# Allegro board 6089-103-RevB_76.brd (continued)
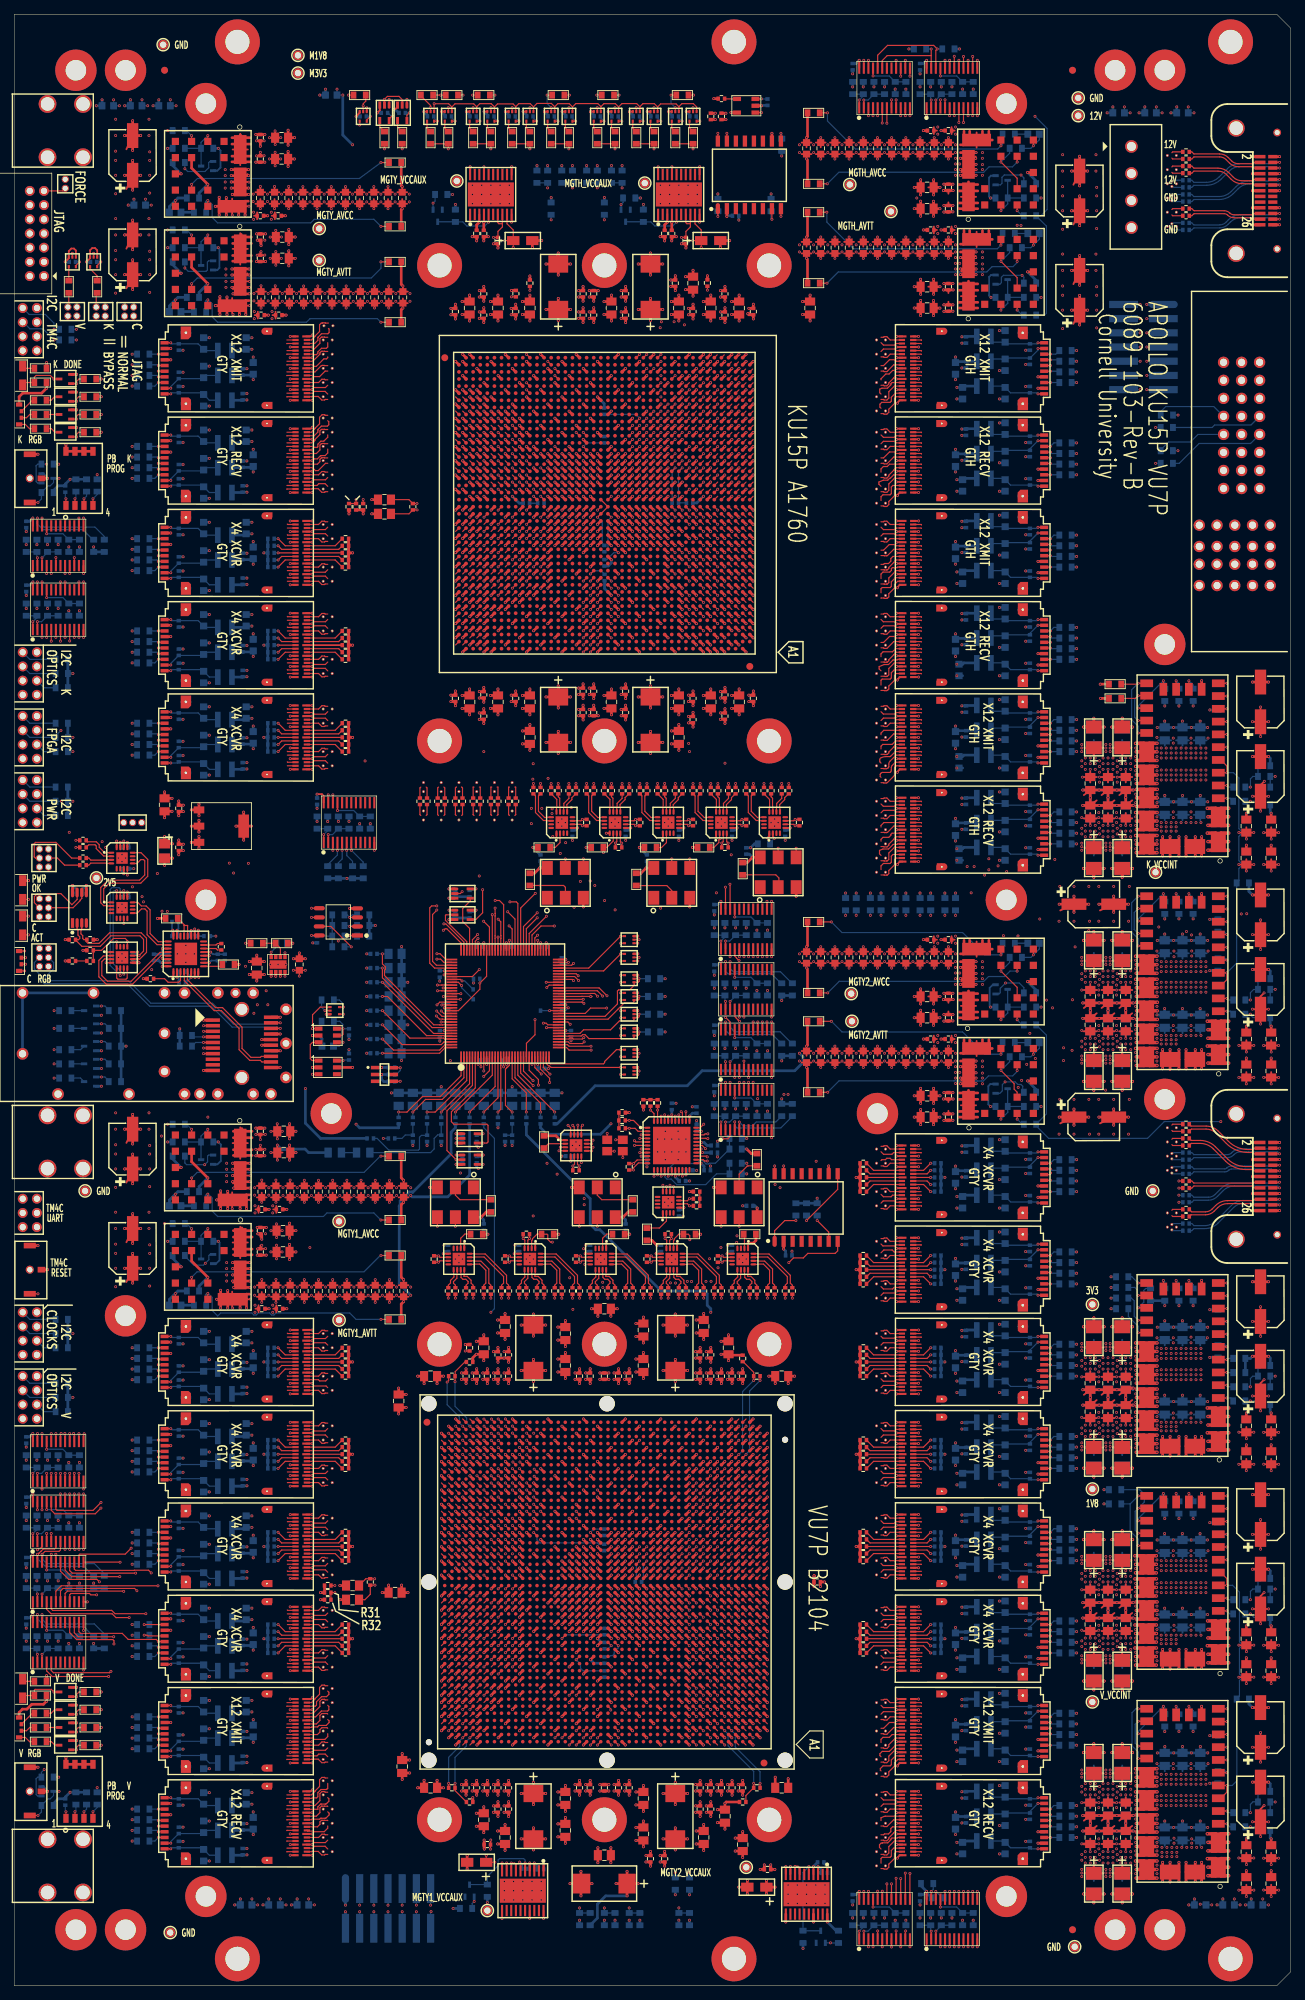
[diagram p0: board, top side]
## Routing (per net, layer and track width the routed paths; a pad name or vN(x,y) marks a point on that pad's centre or on a via; arc(x,y) is an arc through that point) (continued)
  BOTTOM w0.165: v1(20.33,36.3) 20.23,36.4 R638.1
/V_FF12_XMIT_PRESENT: length 33.4
  TOP w0.165: v1(14.88,57.65) 8.11,57.65 7.17,58.58 U5.17 ; U29.3 v1(20.33,37.9)
  SIG4 w0.079: v1(20.33,37.9) 14.88,43.34 v1(14.88,57.65)
  BOTTOM w0.165: R637.1 v1(20.33,37.9)
/V_FF_LEFT_RESET: length 86.1
  TOP w0.165: U26.6 v1(20.33,74.5) ; U25.6 v1(20.33,87.5) ; U6.14 9.12,49.9 9.36,49.66 15.22,49.66 16.07,48.8 20.02,48.8 v1(20.33,48.5) U28.6 ; U30.6 v1(20.33,22.5) ; U27.6 v1(20.33,61.5) ; U29.6 v1(20.33,35.5)
  SIG1 w0.079: v1(20.33,35.5) 20.91,36.08 20.91,47.81 20.33,48.39 v1(20.33,48.5) 20.91,49.08 20.91,61.01 20.42,61.5 v1(20.33,61.5) 20.82,61.99 20.82,74.12 20.44,74.5 v1(20.33,74.5) 20.88,75.05 20.88,87.1 20.48,87.5 v1(20.33,87.5)
  SIG2 w0.079: v1(20.33,35.5) 21.16,34.67 21.16,23.33 v1(20.33,22.5)
/V_FF_RIGHT_RESET: length 274.7
  TOP w0.165: U115.6 v1(146.07,49.3) ; U113.6 v1(146.07,75.3) ; U112.6 v1(146.07,88.3) ; U117.6 v1(146.07,23.3) ; U114.6 v1(146.07,62.3) ; v1(146.1,114.53) 146.07,114.53 146.07,114.3 U110.6 ; U116.6 v1(146.07,36.3) ; U111.6 v1(146.07,101.3) ; U6.13 v1(9.78,50.07)
  SIG1 w0.079: v1(146.07,23.3) 146.51,23.74 146.51,34.54 145.7,35.35 145.7,35.93 v1(146.07,36.3) 146.54,36.77 146.54,47.51 145.7,48.35 145.7,48.86 146.07,49.23 v1(146.07,49.3) 146.59,49.82 146.59,60.34 145.7,61.23 145.7,61.93 v1(146.07,62.3) 146.45,62.68 146.45,73.61 146.37,73.69 146.37,73.69 145.7,74.35 145.7,74.89 146.07,75.26 v1(146.07,75.3) 146.53,75.75 146.53,86.64 146.34,86.72 145.7,87.35 145.7,87.93 v1(146.07,88.3) 146.54,88.77 146.54,99.31 145.7,100.15 145.7,100.93 v1(146.07,101.3) 146.54,101.77 146.54,112.17 145.7,113.01 145.7,114.46 145.78,114.53 v1(146.1,114.53)
  SIG2 w0.079: v1(146.07,23.3) 143,23.3 141.4,21.7 138.7,21.7 130.84,13.84 130.84,13.26 130.35,12.78 116.42,12.78 113.7,15.49 23.52,15.49 8.03,30.98 8.03,48.09 8.04,48.1 8.04,48.34 v1(9.78,50.07)
/V_FPGA_DONE: length 145.3
  TOP w0.165: D7.1 1.52,40.9 R7.2 2.84,41.65 2.96,41.77 5.23,41.77 v1(5.6,41.4) Q5.3 ; U52.119 v1(60.18,135.8)
  SIG1 w0.079: v1(33.79,137.03) 33.79,135.04 27.33,128.58 27.33,127.13 27.34,127.11 27.34,124.71 22.2,119.56 22.2,94.65 7.15,79.6 6.5,79.6 2.05,75.15 2.05,67.19 2.2,67.04 2.2,47 5.6,43.6 v1(5.6,41.4)
  SIG2 w0.079: v1(33.79,137.03) 34.77,136.05 59.93,136.05 v1(60.18,135.8)
/V_MGTY1_AVCC_PWR_EN: length 7.8
  TOP w0.165: U17.6 v1(27.3,120.69)
  BOTTOM w0.165: R596.2 R577.1 ; R577.1 26.34,116.41 Q19.3 ; R577.1 26.34,119.73 v1(27.3,120.69)
/V_MGTY1_AVTT_PWR_EN: length 7.8
  TOP w0.165: U18.6 v1(27.3,106.69)
  BOTTOM w0.165: v1(27.3,106.69) 26.34,105.73 R578.1 ; R599.2 R578.1 ; R578.1 26.35,104.89 Q20.3
/V_MGTY1_VCCAUX_EN: length 12.1
  TOP w0.165: U54.5 v1(72.03,17.3)
  BOTTOM w0.165: v1(72.03,17.3) 72.03,17.7 71.81,17.92 68.41,17.92 68.22,17.73 68.22,16.93 66.7,15.4 R495.2 64.21,14.26 Q15.3
/V_MGTY2_AVCC_PWR_EN: length 7.8
  TOP w0.165: U120.6 v1(139.1,136.11)
  BOTTOM w0.165: 142.38,137.9 R320.2 R335.1 ; v1(139.1,136.11) 140.06,137.07 R335.1 ; R335.1 140.05,137.91 Q11.3
/V_MGTY2_AVTT_PWR_EN: length 7.8
  TOP w0.165: U121.6 v1(139.1,122.11)
  BOTTOM w0.165: R336.1 140.05,123.91 Q12.3 ; R336.1 140.06,123.07 v1(139.1,122.11) ; R336.1 R323.2 142.38,123.9
/V_MGTY2_VCCAUX_EN: length 13
  TOP w0.165: U99.5 v1(112.03,16.8)
  BOTTOM w0.165: v1(112.03,16.8) 111.2,15.98 R408.2 111.21,7.75 Q13.3
/V_OPTICS_I2C_RESET: length 186.8
  TOP w0.165: 3.92,71.1 v1(3.92,70) ; v1(3.28,61.44) 3.43,61.59 3.65,61.59 3.89,61.83 3.92,61.83 3.92,62.6 ; U101.3 v1(120.42,5.5)
  SIG2 w0.079: v1(3.28,61.44) 2.77,61.44 2.19,60.86 2.19,35.74 22.85,15.09 99.51,15.09 102.33,12.27 106.63,12.27 113.4,5.5 v1(120.42,5.5)
  SIG4 w0.079: v1(3.28,61.44) 3.28,62.24 2.1,63.42 2.1,68.17 v1(3.92,70) 2.23,71.69 2.23,80.94 J8.6
  BOTTOM w0.165: J8.6 4.2,80.9 R697.1
AC_NC2C0_K_TO_V: length 100.9
  TOP w0.165: 67.32,164.9 67.2,165.02 67.2,165.02 C127.2 ; U66.BC46 60.23,76.87
  SIG1 w0.083: 60.23,76.87 60.55,76.87 60.63,76.95 60.63,77.1 arc(60.66,77.21) 60.72,77.31 60.75,77.34 arc(60.85,77.41) 60.96,77.43 65.27,77.43 arc(65.34,77.44) 65.4,77.48 65.49,77.57 arc(65.56,77.67) 65.58,77.79 65.58,81.88 arc(65.54,82.07) 65.44,82.23 62.71,84.96 arc(62.55,85.19) 62.5,85.47 62.5,92.5 arc(62.43,92.83) 62.25,93.1 59.5,95.85 arc(59.32,96.13) 59.25,96.45 59.25,104.69 arc(59.39,105.39) 59.79,105.99 60.51,106.71 arc(61.08,107.56) 61.28,108.58 61.28,127.31 arc(61.43,128.06) 61.86,128.7 66.15,132.99 arc(66.6,133.66) 66.76,134.46 66.76,161.37 arc(66.87,161.92) 67.18,162.39 67.41,162.62 arc(67.58,162.87) 67.64,163.17 67.64,163.62 arc(67.61,163.76) 67.54,163.87 67.48,163.92 arc(67.36,164.1) 67.32,164.32 67.32,164.9
AC_NC2C0_V_TO_K: length 25.8
  TOP w0.165: C101.2 62.2,168.78 62.32,168.9 62.32,168.9 ; U65.D42 62.23,190.93
  SIG1 w0.083: 62.32,168.9 62.32,169.53 arc(62.32,169.57) 62.33,169.61 arc(62.37,169.72) 62.43,169.84 arc(62.45,169.87) 62.47,169.91 arc(62.55,170.03) 62.57,170.17 62.57,171.55 arc(62.56,171.59) 62.52,171.6 arc(62.48,171.62) 62.47,171.66 62.47,171.88 arc(62.48,171.92) 62.52,171.93 arc(62.56,171.95) 62.57,171.99 62.57,181.84 arc(62.65,182.23) 62.87,182.56 63.45,183.14 arc(63.6,183.36) 63.65,183.62 63.65,188.94 arc(63.62,189.08) 63.54,189.19 63.54,189.2 arc(63.42,189.28) 63.28,189.31 63.1,189.31 arc(62.93,189.34) 62.78,189.42 arc(62.63,189.59) 62.57,189.81 62.57,190.77 62.41,190.93 62.23,190.93
AC_NC2C1_K_TO_V: length 104.9
  TOP w0.165: C140.2 69.7,165.02 69.7,165.02 69.82,164.9 ; U66.BA46 60.23,74.87
  SIG1 w0.083: 69.82,164.9 69.82,164.25 arc(69.84,164.13) 69.91,164.03 70.04,163.9 arc(70.09,163.82) 70.11,163.73 70.11,154.5 arc(70.02,154.03) 69.75,153.63 69.11,152.99 arc(68.87,152.63) 68.79,152.21 68.79,134.81 arc(68.7,134.37) 68.45,134 63.81,129.36 arc(63.54,128.95) 63.44,128.47 63.44,106.58 arc(63.36,106.16) 63.12,105.8 61.77,104.45 arc(61.48,104.02) 61.38,103.51 61.38,98.48 arc(61.33,98.21) 61.17,97.99 60.82,97.64 arc(60.51,97.17) 60.4,96.62 60.4,96.35 arc(60.49,95.93) 60.72,95.58 64.2,92.1 arc(64.33,91.91) 64.38,91.68 64.38,87.16 arc(64.35,87) 64.25,86.86 64.11,86.72 arc(63.95,86.49) 63.9,86.21 63.9,85.44 arc(63.95,85.18) 64.1,84.95 66.49,82.57 arc(66.61,82.38) 66.66,82.16 66.66,82.16 66.66,75.71 arc(66.64,75.61) 66.58,75.53 66.53,75.48 arc(66.46,75.44) 66.39,75.42 60.99,75.42 arc(60.74,75.32) 60.63,75.07 60.63,74.95 60.55,74.87 60.23,74.87
AC_NC2C1_V_TO_K: length 23.9
  TOP w0.165: U65.C40 64.23,189.93 ; C109.2 64.7,168.89 64.82,168.9
  SIG1 w0.083: 64.82,168.9 64.82,169.64 arc(64.84,169.75) 64.9,169.84 65.02,169.96 arc(65.06,170.01) 65.07,170.06 65.07,170.93 arc(65.05,171.01) 65.01,171.07 65,171.09 arc(64.93,171.18) 64.91,171.29 64.91,182.63 arc(64.89,182.73) 64.83,182.82 64.77,182.88 arc(64.66,183.04) 64.62,183.24 64.62,189.84 64.54,189.93 64.23,189.93
AC_NC2C2_K_TO_V: length 99.4
  TOP w0.165: C92.2 57.2,165.02 57.32,164.9 ; U66.AW46 60.23,72.86
  SIG1 w0.083: 57.32,164.9 57.32,164.25 arc(57.36,164.04) 57.48,163.87 57.51,163.83 arc(57.6,163.7) 57.64,163.53 57.64,163.03 arc(57.55,162.57) 57.29,162.19 53.92,158.82 arc(53.72,158.52) 53.64,158.16 53.64,122.95 arc(53.72,122.58) 53.93,122.26 54.05,122.15 arc(54.19,121.92) 54.25,121.66 54.25,111.21 54.24,111.2 54.24,98.6 54.25,98.59 54.25,98.31 54.24,98.3 54.24,97.45 54.25,97.44 54.25,97.16 54.24,97.15 54.24,85.74 arc(54.31,85.39) 54.51,85.09 54.55,85.05 arc(54.64,84.92) 54.67,84.76 54.67,79.64 arc(54.76,79.2) 55,78.83 59.41,74.42 arc(59.54,74.23) 59.59,74.01 59.59,73.82 arc(59.62,73.64) 59.72,73.48 59.76,73.45 arc(59.9,73.35) 60.07,73.32 60.44,73.32 arc(60.55,73.3) 60.64,73.23 60.66,73.21 arc(60.68,73.19) 60.69,73.16 60.69,73 60.54,72.86 60.23,72.86
AC_NC2C2_V_TO_K: length 25.4
  TOP w0.165: C96.2 59.7,168.78 59.82,168.9 ; U65.B42 62.23,188.93
  SIG1 w0.083: 62.23,188.93 62.63,188.53 62.63,187.19 arc(62.43,186.21) 61.87,185.38 58.26,181.76 arc(57.64,180.84) 57.43,179.76 57.43,174.48 arc(57.62,173.5) 58.18,172.67 59.86,170.99 arc(60,170.78) 60.05,170.53 60.05,170.38 arc(60.02,170.22) 59.93,170.09 arc(59.85,169.97) 59.82,169.82 59.82,168.9
AC_NHIGH_PERF_CLK_IN: length 86.7
  TOP w0.165: R138.2 v1(95.19,110.9) 94.9,110.61 94.38,110.61 94.34,110.65 U80.7
  SIG2 w0.083: v1(164.19,110.4) 164.19,110.52 164.41,110.74 arc(164.48,110.78) 164.56,110.8 164.73,110.8 arc(164.84,110.82) 164.93,110.89 165.07,111.02 arc(165.17,111.18) 165.21,111.37 165.21,118.01 arc(165.1,118.56) 164.79,119.03 164.3,119.52 arc(163.65,119.96) 162.88,120.11 161.51,120.11 arc(161.06,120.2) 160.68,120.44 arc(160.63,120.49) 160.57,120.52 arc(160.51,120.55) 160.45,120.57 arc(160.38,120.59) 160.31,120.59 118.77,120.59 108.69,110.5 95.28,110.5 95.19,110.59 v1(95.19,110.9)
  BOTTOM w0.165: C503.2 v1(164.19,110.4)
AC_NK_CLK0_CHAN0: length 57.7
  TOP w0.165: C305.2 v1(108.2,169.41) ; U65.AG11 v1(94.17,214.87)
  SIG2 w0.083: v1(108.2,169.41) 108.51,169.41 108.6,169.49 108.6,169.87 107.28,171.19 106.99,171.19 103.02,175.16 103.02,180.61 100.12,183.51 99.48,183.51 95.58,187.41 95.58,208.39 94.86,209.11 93.02,209.11 92.55,209.57 92.55,215.16 92.86,215.47 93.47,215.47 93.78,215.16 93.78,214.96 93.86,214.87 v1(94.17,214.87)
AC_NK_CLK0_CHAN1: length 49.2
  TOP w0.165: U65.AA11 v1(94.17,207.93) ; C300.2 v1(105.7,169.41)
  SIG2 w0.083: v1(105.7,169.41) 106.01,169.41 106.1,169.49 106.1,170.61 98.83,177.87 98.83,181.02 94.54,185.31 94.54,201.77 94.55,201.77 94.55,202.08 94.54,202.08 94.54,203.22 94.41,203.35 92.93,203.35 92.59,203.69 92.59,208.27 92.99,208.67 93.57,208.67 93.78,208.46 93.78,208.01 93.86,207.93 v1(94.17,207.93)
AC_NK_CLK0_CHAN2: length 41.9
  TOP w0.165: U65.R11 v1(94.17,201.93) ; C293.2 v1(103.2,169.41)
  SIG2 w0.083: v1(94.17,201.93) 93.86,201.93 93.78,202.01 93.78,202.21 93.57,202.43 92.79,202.43 92.58,202.22 92.58,182.44 94.38,180.65 94.38,177.76 98.16,173.98 99.73,173.98 103.6,170.11 103.6,169.49 103.51,169.41 v1(103.2,169.41)
AC_NK_CLK0_CHAN4: length 48.7
  TOP w0.165: C171.2 v1(78.2,169.41) ; U65.AD33 v1(71.23,211.87)
  SIG1 w0.083: v1(78.2,169.41) 78.51,169.41 78.6,169.49 78.6,170.04 75.86,172.78 75.86,181.54 74.7,182.7 74.7,187.63 74.65,187.69 74.65,208.68 74.56,208.77 72.08,208.77 71.62,209.22 71.62,211.79 71.54,211.87 v1(71.23,211.87)
AC_NK_CLK0_CHAN5: length 40.2
  TOP w0.165: C161.2 v1(75.7,169.41) ; U65.V33 v1(71.23,204.93)
  SIG1 w0.083: v1(75.7,169.41) 76.01,169.41 76.1,169.49 76.1,170.24 73.67,172.67 73.67,187.67 73.65,187.69 73.65,204.03 73.38,204.3 71.85,204.3 71.62,204.53 71.62,204.84 71.54,204.93 v1(71.23,204.93)
AC_NK_CLK0_CHAN6: length 35.8
  TOP w0.165: C155.2 v1(73.2,169.41) ; U65.P33 v1(71.23,200.93)
  SIG1 w0.083: v1(73.2,169.41) 73.51,169.41 73.6,169.49 73.6,170.86 71.09,173.37 71.09,182.52 72.65,184.07 72.65,199.18 72.51,199.32 72,199.32 71.62,199.69 71.62,200.84 71.54,200.93 v1(71.23,200.93)
AC_NK_CLK1_CHAN0: length 65.1
  TOP w0.165: U65.AF9 v1(96.17,213.87) ; C281.2 v1(100.7,169.41)
  SIG2 w0.083: v1(100.7,169.41) 101.01,169.41 101.1,169.32 101.1,168.88 101.75,168.22 109.39,168.22 110.28,169.11 110.28,177.86 103.34,184.8 99.76,184.8 96.8,187.76 96.8,209.18 95.81,210.18 95.81,213.79 95.89,213.87 v1(96.17,213.87)
AC_NK_CLK1_CHAN1: length 46.5
  TOP w0.165: U65.Y9 v1(96.17,206.93) ; C264.2 v1(98.2,169.41)
  SIG1 w0.083: v1(98.2,169.41) 98.51,169.41 98.6,169.49 98.6,169.61 98.55,169.66 98.55,181.39 94.53,185.41 94.53,187.75 94.55,187.77 94.55,195.21 94.89,195.56 96.3,195.56 96.55,195.81 96.55,203.08 96.3,203.33 94.76,203.33 94.55,203.53 94.55,207.14 94.95,207.53 95.46,207.53 95.78,207.21 95.78,207.01 95.86,206.93 v1(96.17,206.93)
AC_NK_CLK1_CHAN2: length 37.8
  TOP w0.165: C249.2 v1(95.7,169.41) ; U65.P9 v1(96.17,200.93)
  SIG1 w0.083: v1(96.17,200.93) 95.86,200.93 95.78,201.01 95.78,201.21 95.49,201.5 93.94,201.5 93.56,201.12 93.56,185.07 96.05,182.58 96.05,182.52 96.35,182.21 96.35,170.92 95.91,170.48 95.91,169.8 96.1,169.61 96.1,169.49 96.01,169.41 v1(95.7,169.41)
AC_NK_CLK1_CHAN4: length 50.2
  TOP w0.165: C204.2 v1(85.7,169.41) ; U65.AC31 v1(73.23,210.87)
  SIG1 w0.083: v1(85.7,169.41) 86.06,169.77 86.06,170.56 85.26,171.35 83.52,171.35 77.81,177.06 77.81,180.69 75.63,182.87 75.63,209.96 75.34,210.25 73.96,210.25 73.62,210.59 73.62,210.79 73.54,210.87 v1(73.23,210.87)
AC_NK_CLK1_CHAN5: length 40.9
  TOP w0.165: C191.2 v1(83.2,169.41) ; U65.U31 v1(73.23,203.93)
  SIG2 w0.083: v1(83.2,169.41) 83.51,169.41 83.6,169.49 83.6,171.36 77.54,177.42 77.54,184.48 74.65,187.37 74.65,203.18 74.48,203.35 73.91,203.35 73.62,203.64 73.62,203.84 73.54,203.93 v1(73.23,203.93)
AC_NK_CLK1_CHAN6: length 35.5
  TOP w0.165: C181.2 v1(80.7,169.41) ; U65.N31 v1(73.23,199.93)
  SIG2 w0.083: v1(73.23,199.93) 73.54,199.93 73.62,199.84 73.62,186.63 75.62,184.63 75.62,176.77 81.1,171.29 81.1,169.49 81.01,169.41 v1(80.7,169.41)
AC_NK_TTC_CLK40: length 98.7
  TOP w0.165: U65.J23 v1(81.23,195.93)
  SIG3 w0.083: v1(81.23,195.93) 81.23,196.24 81.14,196.32 54.42,196.32 47.01,188.91 47.01,185.51 44,182.5 20.5,182.5 4.36,166.36 4.36,160.87 4.3,160.82 4.3,160.7 J9.4
AC_NK_TTC_IN: length 89.4
  TOP w0.165: U65.AY1 104.1,227.8
  SIG2 w0.083: VA142.2 162.49,247.52 arc(162.43,247.53) 162.37,247.57 162.26,247.68 arc(162.17,247.74) 162.06,247.76 161.85,247.76 arc(161.73,247.74) 161.64,247.67 161.36,247.39 arc(161.33,247.36) 161.32,247.31 161.32,245.81 arc(161.34,245.77) 161.38,245.76 arc(161.42,245.74) 161.44,245.7 161.44,245.48 arc(161.42,245.44) 161.38,245.43 arc(161.34,245.41) 161.32,245.37 161.32,245.15 arc(161.34,245.11) 161.38,245.1 arc(161.42,245.08) 161.44,245.04 161.44,244.82 arc(161.42,244.78) 161.38,244.77 arc(161.34,244.75) 161.32,244.71 161.32,244.49 arc(161.34,244.45) 161.38,244.44 arc(161.42,244.42) 161.44,244.38 161.44,244.16 arc(161.42,244.12) 161.38,244.11 arc(161.34,244.09) 161.32,244.05 161.32,226.04 arc(161.15,225.17) 160.65,224.42 158.18,221.95 arc(157.48,221.49) 156.67,221.32 135.21,221.32 arc(134.92,221.26) 134.68,221.1 arc(134.43,220.94) 134.14,220.88 126.02,220.88 arc(125.48,220.99) 125.03,221.29 123.98,222.34 arc(123.52,222.65) 122.97,222.76 112.54,222.76 arc(111.19,223.03) 110.04,223.8 106.21,227.62 arc(105.58,228.05) 104.82,228.19 103.82,228.19 arc(103.79,228.19) 103.77,228.17 103.73,228.14 arc(103.71,228.11) 103.71,228.08 103.71,227.89 103.79,227.8 104.1,227.8
  BOTTOM w0.165: C497.2 163.32,247.4 VA142.2
AC_NK_TTS_OUT: length 10.3
  TOP w0.165: C440.1 166.01,249.4 166.24,249.63 arc(166.31,249.67) 166.39,249.69 170.58,249.69 arc(170.84,249.64) 171.07,249.49 arc(171.48,249.21) 171.97,249.12 174.58,249.12 174.77,248.93 P2.24
AC_NK_UTIL_CLK_CHAN0: length 54.2
  TOP w0.165: U65.AL11 v1(94.17,218.87) ; C235.2 v1(93.2,169.41)
  SIG1 w0.083: v1(94.17,218.87) 93.86,218.87 93.78,218.96 93.78,219.16 93.57,219.36 92.91,219.36 92.55,219 92.55,187.77 92.52,187.75 92.52,183.55 92,183.03 92,172.66 93.6,171.06 93.6,169.49 93.51,169.41 v1(93.2,169.41)
AC_NK_UTIL_CLK_CHAN1: length 48
  TOP w0.165: C227.2 v1(90.7,169.41) ; U65.M33 v1(71.23,198.93)
  SIG2 w0.083: v1(71.23,198.93) 71.54,198.93 71.62,198.84 71.62,186.87 74.31,184.19 74.31,174.99 80.12,169.17 80.12,169.17 80.46,168.83 80.47,168.83 80.84,168.45 89.79,168.45 90,168.66 90,169.42 90.41,169.84 91.09,169.84 91.17,169.76 91.17,169.46 91.12,169.41 v1(90.7,169.41)
AC_NK_UTIL_CLK_CHAN2: length 30
  TOP w0.165: U65.G21 v1(84.17,193.93) ; C215.2 v1(88.2,169.41)
  SIG1 w0.083: v1(88.2,169.41) 88.51,169.41 88.6,169.32 88.6,169.19 88.49,169.09 87.94,169.09 87.21,169.82 87.21,185.18 83.33,189.05 83.33,193.84 83.42,193.93 v1(84.17,193.93)
AC_NLEGACY_CLK: length 121.3
  TOP w0.165: U81.44 90.2,122.89 v1(89.7,123.39) R129.2 ; C2.2 v1(8.69,160.4)
  SIG4 w0.083: v1(89.7,123.39) 90.01,123.39 90.1,123.48 90.1,123.98 90.01,124.06 46.54,124.06 45.58,125.02 43.82,125.02 42.86,124.06 13.41,124.06 8.76,128.71 8.76,148.48 9.41,149.13 9.41,160.71 9.33,160.8 8.78,160.8 8.69,160.71 v1(8.69,160.4)
AC_NLHC_CLK_IN: length 93.6
  TOP w0.165: C446.2 v1(164.19,112.4) ; U81.2 87.95,120.4 87.53,120.82 v1(86.71,120.82) R120.2
  SIG4 w0.083: v1(86.71,120.82) 86.71,121.21 86.79,121.3 94.93,121.3 95.42,120.8 98.3,120.8 98.63,120.48 146.76,120.48 arc(147.28,120.61) 147.72,120.91 148.3,121.49 arc(148.66,121.73) 149.09,121.81 163,121.81 arc(163.77,121.66) 164.42,121.23 164.78,120.87 arc(165.17,120.29) 165.3,119.61 165.3,115.93 arc(165.21,115.47) 164.95,115.07 163.27,113.39 163.27,112.95 163.47,112.74 164.11,112.74 164.19,112.66 v1(164.19,112.4)
AC_NMGT_K_TO_Z_1: length 14.6
  TOP w0.165: P2.11 v1(178.38,253.72)
  BOTTOM w0.165: v1(178.38,253.72) 178.23,253.88 174.19,253.88 arc(173.3,253.7) 172.54,253.2 171.87,252.53 arc(170.94,251.91) 169.85,251.69 166.3,251.69 166.01,251.4 C495.1
AC_NMGT_K_TO_Z_2: length 10.8
  TOP w0.165: C438.1 166.01,255.4 166.3,255.69 169.7,255.69 arc(170.36,255.56) 170.93,255.18 171.57,254.53 arc(172.26,254.08) 173.07,253.92 174.58,253.92 174.77,253.72 P2.12
AC_NMGT_V_TO_Z_1: length 14
  TOP w0.165: P3.11 v1(178.38,114.83)
  BOTTOM w0.165: v1(178.38,114.83) 178.09,114.83 177.9,115.02 177.3,115.02 177.23,115.08 171.6,115.08 arc(171.41,115.04) 171.24,114.93 171.22,114.91 arc(170.97,114.75) 170.68,114.69 166.3,114.69 166.01,114.4 C501.1
AC_NMGT_V_TO_Z_2: length 11.4
  TOP w0.165: C444.1 165.94,118.69 167.2,118.69 arc(168.19,118.49) 169.04,117.93 170.79,116.18 arc(172.08,115.32) 173.61,115.02 174.58,115.02 174.77,114.83 P3.12
AC_NMGT_Z_TO_K_1: length 76.8
  TOP w0.165: U65.BA3 102.1,228.8
  SIG1 w0.083: 102.1,228.8 101.88,228.8 arc(101.77,228.85) 101.73,228.95 101.73,229.94 arc(101.74,229.98) 101.76,230.01 105.37,233.62 arc(105.41,233.64) 105.46,233.62 arc(105.5,233.61) 105.55,233.62 105.69,233.77 arc(105.71,233.81) 105.69,233.86 arc(105.67,233.9) 105.69,233.94 105.84,234.09 arc(105.88,234.11) 105.92,234.09 arc(105.97,234.07) 106.01,234.09 106.16,234.24 arc(106.18,234.28) 106.16,234.32 arc(106.14,234.37) 106.16,234.41 106.3,234.56 arc(106.35,234.58) 106.39,234.56 arc(106.44,234.54) 106.48,234.56 106.63,234.7 arc(106.64,234.75) 106.63,234.79 arc(106.61,234.83) 106.63,234.88 115.36,243.62 arc(115.63,244.02) 115.73,244.5 arc(115.82,244.98) 116.09,245.38 125.18,254.46 arc(125.67,254.79) 126.25,254.91 131.42,254.91 arc(131.74,254.84) 132.01,254.66 132.28,254.4 arc(132.62,254.17) 133.02,254.09 156.3,254.09 arc(156.42,254.06) 156.52,254 156.55,253.97 arc(156.76,253.83) 157.01,253.78 162.09,253.78 162.39,253.48 162.92,253.48 162.96,253.52 VA139.2
  BOTTOM w0.165: C493.2 163.32,253.4 VA139.2
AC_NMGT_Z_TO_K_2: length 81.8
  TOP w0.165: 163.2,257.52 163.32,257.4 C436.2 ; U65.BB5 100.1,229.8
  SIG1 w0.083: 163.2,257.52 162.96,257.52 162.92,257.48 162.39,257.48 162.12,257.75 156.91,257.75 arc(156.41,257.85) 155.99,258.13 154.7,259.42 arc(154.23,259.73) 153.67,259.84 128.74,259.84 arc(128.51,259.8) 128.31,259.67 arc(128.16,259.45) 128.09,259.2 arc(127.98,258.81) 127.75,258.48 126.25,256.98 arc(125.99,256.81) 125.68,256.75 124.18,256.75 arc(123.61,256.63) 123.12,256.31 118.25,251.43 arc(118.22,251.36) 118.25,251.3 arc(118.28,251.23) 118.25,251.16 118.15,251.06 arc(118.08,251.03) 118.02,251.06 arc(117.95,251.09) 117.88,251.06 117.78,250.97 arc(117.75,250.9) 117.78,250.83 arc(117.81,250.76) 117.78,250.69 117.69,250.6 arc(117.62,250.57) 117.55,250.6 arc(117.48,250.62) 117.41,250.6 113.56,246.75 113.56,246.75 113.35,246.54 113.35,246.54 111.55,244.73 arc(111.33,244.41) 111.26,244.03 111.26,242.66 arc(111.12,241.98) 110.73,241.4 105.45,236.12 arc(105.45,236.11) 105.45,236.11 arc(105.17,235.92) 104.85,235.83 arc(104.52,235.73) 104.24,235.53 99.92,231.2 arc(99.76,230.98) 99.71,230.7 99.71,230.11 arc(99.73,230.01) 99.79,229.92 99.91,229.8 100.1,229.8
AC_NMGT_Z_TO_V_1: length 93.3
  TOP w0.165: U66.BA1 106.17,74.87
  SIG4 w0.083: 106.17,74.87 105.85,74.87 105.77,74.95 105.77,75.22 105.85,75.3 108.08,75.3 arc(108.43,75.37) 108.71,75.56 110.92,77.76 arc(111.44,78.54) 111.62,79.45 111.62,83.35 arc(111.71,83.83) 111.99,84.24 112.59,84.85 arc(112.9,85.3) 113,85.84 113,101.07 arc(113.02,101.11) 113.06,101.13 arc(113.11,101.15) 113.12,101.19 113.12,101.4 arc(113.11,101.44) 113.06,101.46 arc(113.02,101.48) 113,101.52 113,101.73 arc(113.02,101.77) 113.06,101.79 arc(113.11,101.81) 113.12,101.85 113.12,102.06 arc(113.11,102.1) 113.06,102.12 arc(113.02,102.14) 113,102.18 113,105.05 arc(113.3,106.54) 114.14,107.8 119.72,113.38 arc(120.73,114.06) 121.93,114.3 133.74,114.3 133.76,114.28 140.56,114.28 arc(140.91,114.23) 141.23,114.09 arc(141.56,113.94) 141.91,113.89 142.36,113.89 142.36,113.89 142.78,113.89 142.78,113.89 157.1,113.89 arc(158.16,114.1) 159.05,114.7 160.98,116.63 arc(161.25,116.81) 161.57,116.87 161.9,116.87 arc(162.04,116.84) 162.17,116.76 162.38,116.55 arc(162.41,116.53) 162.45,116.52 VA145.2
  BOTTOM w0.165: VA145.2 163.32,116.4 C499.2
AC_NMGT_Z_TO_V_2: length 103.7
  TOP w0.165: C442.2 163.32,120.4 163.2,120.52 ; U66.BC1 106.17,76.87
  SIG4 w0.083: 163.2,120.52 162.43,120.52 arc(162.36,120.53) 162.31,120.57 162.18,120.7 arc(162.13,120.73) 162.08,120.74 161.95,120.74 arc(161.89,120.73) 161.83,120.69 159.46,118.31 arc(159.04,118.04) 158.55,117.94 144.36,117.94 arc(144.24,117.92) 144.13,117.85 144.04,117.75 arc(143.87,117.64) 143.67,117.6 135.9,117.6 arc(135.41,117.69) 135,117.97 133.72,119.24 arc(133,119.73) 132.14,119.9 122.86,119.9 arc(121.56,119.64) 120.46,118.91 112.25,110.7 arc(111.51,109.59) 111.25,108.29 111.25,102.04 arc(111.27,102) 111.31,101.98 arc(111.35,101.97) 111.37,101.93 111.37,101.71 arc(111.35,101.67) 111.31,101.65 arc(111.27,101.64) 111.25,101.6 111.25,101.38 arc(111.27,101.34) 111.31,101.32 arc(111.35,101.31) 111.37,101.27 111.37,101.05 arc(111.35,101.01) 111.31,100.99 arc(111.27,100.98) 111.25,100.94 111.25,100.72 arc(111.27,100.68) 111.31,100.66 arc(111.35,100.65) 111.37,100.61 111.37,100.39 arc(111.35,100.35) 111.31,100.33 arc(111.27,100.32) 111.25,100.28 111.25,85.89 arc(111.15,85.34) 110.84,84.88 110.08,84.13 arc(109.37,83.65) 108.53,83.48 108.41,83.48 arc(107.99,83.4) 107.63,83.16 105.98,81.51 arc(105.41,81.13) 104.75,81 102.94,81 arc(102.66,80.94) 102.42,80.78 102.15,80.51 arc(101.83,80.04) 101.72,79.48 101.72,77.73 arc(101.74,77.64) 101.79,77.56 101.87,77.48 arc(101.9,77.46) 101.94,77.45 105.44,77.45 arc(105.55,77.43) 105.65,77.36 105.68,77.33 arc(105.74,77.24) 105.77,77.12 105.77,76.95 105.85,76.87 106.17,76.87
AC_NV_CLK0_CHAN0: length 31.1
  TOP w0.165: U66.AT10 v1(97.15,69.86) ; C289.2 v1(102.2,96.89)
  SIG1 w0.083: v1(97.15,69.86) 96.84,69.86 96.76,69.94 96.76,81.14 100.36,84.74 100.36,85.16 100.11,85.41 100.11,86.56 100.26,86.7 100.26,90.15 101.79,91.69 101.79,96.48 v1(102.2,96.89)
AC_NV_CLK0_CHAN1: length 40.9
  TOP w0.165: U66.AH10 v1(97.15,61.86) ; C298.2 v1(104.7,96.89)
  SIG1 w0.083: v1(104.7,96.89) 104.59,96.89 104.38,96.68 104.38,95.77 103.5,94.9 103.5,84.89 102.93,84.31 101.86,84.31 97.8,80.25 97.8,64.44 97.59,64.24 97,64.24 96.76,64 96.76,61.94 96.84,61.86 v1(97.15,61.86)
AC_NV_CLK0_CHAN2: length 58.8
  TOP w0.165: C304.2 v1(107.2,96.89) ; U66.T10 v1(97.15,48.94)
  SIG1 w0.083: v1(107.2,96.89) 106.89,96.89 106.8,96.81 106.8,96.61 106.74,96.54 106.74,95.52 109.02,93.24 109.02,87.34 105.79,84.11 103.35,84.11 99.8,80.55 99.8,50.78 99.36,50.34 96.91,50.34 96.76,50.19 96.76,49.02 96.84,48.94 v1(97.15,48.94)
AC_NV_CLK0_CHAN3: length 66.9
  TOP w0.165: U66.H10 v1(97.15,40.94) ; C310.2 v1(109.7,96.89)
  SIG1 w0.083: v1(109.7,96.89) 109.56,96.89 109.33,96.66 109.33,96.13 109.81,95.65 109.81,86.49 106.77,83.46 104.04,83.46 100.82,80.24 100.82,47.78 100.32,47.28 97.33,47.28 97.31,47.31 97,47.31 96.76,47.07 96.76,41.02 96.84,40.94 v1(97.15,40.94)
AC_NV_CLK0_CHAN4: length 31.5
  TOP w0.165: C102.2 v1(62.2,96.89) ; U66.AV39 v1(67.24,71.87)
  SIG1 w0.083: v1(62.2,96.89) 61.9,96.6 61.9,95.8 65.8,91.9 65.8,86.58 65.58,86.36 65.58,85.27 67.86,82.99 67.86,74.52 67.58,74.25 67.09,74.25 66.86,74.02 66.86,71.67 67.13,71.41 67.47,71.41 67.63,71.57 67.63,71.79 67.55,71.87 v1(67.24,71.87)
AC_NV_CLK0_CHAN5: length 37.4
  TOP w0.165: C110.2 v1(64.7,96.89) ; U66.AL37 v1(69.25,64.86)
  SIG1 w0.083: v1(64.7,96.89) 64.39,96.89 64.3,96.81 64.3,95.51 67.12,92.69 67.12,88.4 67.38,88.14 67.38,86.79 67.05,86.46 67.05,85.3 68.87,83.48 68.87,64.73 69.13,64.47 69.49,64.47 69.64,64.62 69.64,64.78 69.56,64.86 v1(69.25,64.86)
AC_NV_CLK0_CHAN6: length 47.3
  TOP w0.165: C128.2 v1(67.2,96.89) ; U66.AC37 v1(69.25,55.93)
  SIG1 w0.083: v1(69.25,55.93) 69.56,55.93 69.64,55.84 69.64,55.73 69.49,55.58 69.04,55.58 68.95,55.67 68.95,56.52 69.17,56.74 70.33,56.74 70.87,57.28 70.87,58.06 70.82,58.11 70.82,73.49 70.89,73.56 70.89,74.04 70.82,74.12 70.82,92.5 66.8,96.51 66.8,96.81 66.89,96.89 v1(67.2,96.89)
AC_NV_CLK0_CHAN7: length 56.3
  TOP w0.165: U66.R37 v1(69.25,47.93) ; C141.2 v1(69.7,96.89)
  SIG1 w0.083: v1(69.7,96.89) 69.39,96.89 69.3,96.81 69.3,96.74 72.22,93.82 72.22,79.32 71.87,78.97 71.87,74.05 71.88,74.04 71.88,73.56 71.87,73.56 71.87,53.8 71.44,53.37 69.01,53.37 68.83,53.19 68.83,47.66 68.99,47.51 69.43,47.51 69.64,47.72 69.64,47.84 69.56,47.93 v1(69.25,47.93)
AC_NV_CLK1_CHAN0: length 35.7
  TOP w0.165: C232.2 v1(92.2,96.89) ; U66.AP10 v1(97.15,67.86)
  SIG1 w0.083: v1(97.15,67.86) 96.84,67.86 96.76,67.94 96.76,69.06 96.33,69.49 95.91,69.49 95.77,69.63 95.77,84.53 95.48,84.82 95.48,97.09 95.1,97.47 93.46,97.47 92.54,96.55 92.24,96.55 92.2,96.6 v1(92.2,96.89)
